# Altium PCB Sensor.PcbDoc (part 2 of 2)
Units mm, origin at the board's own origin, x right, y up, seen from the top; angles counter-clockwise.
Board outline 54 x 36.3 mm, 4 copper layers (Top Layer, Layer 1, Layer 2, Bottom Layer), stack 0.98 mm thick; 113 components, 88 nets, 484 pads, 239 vias.
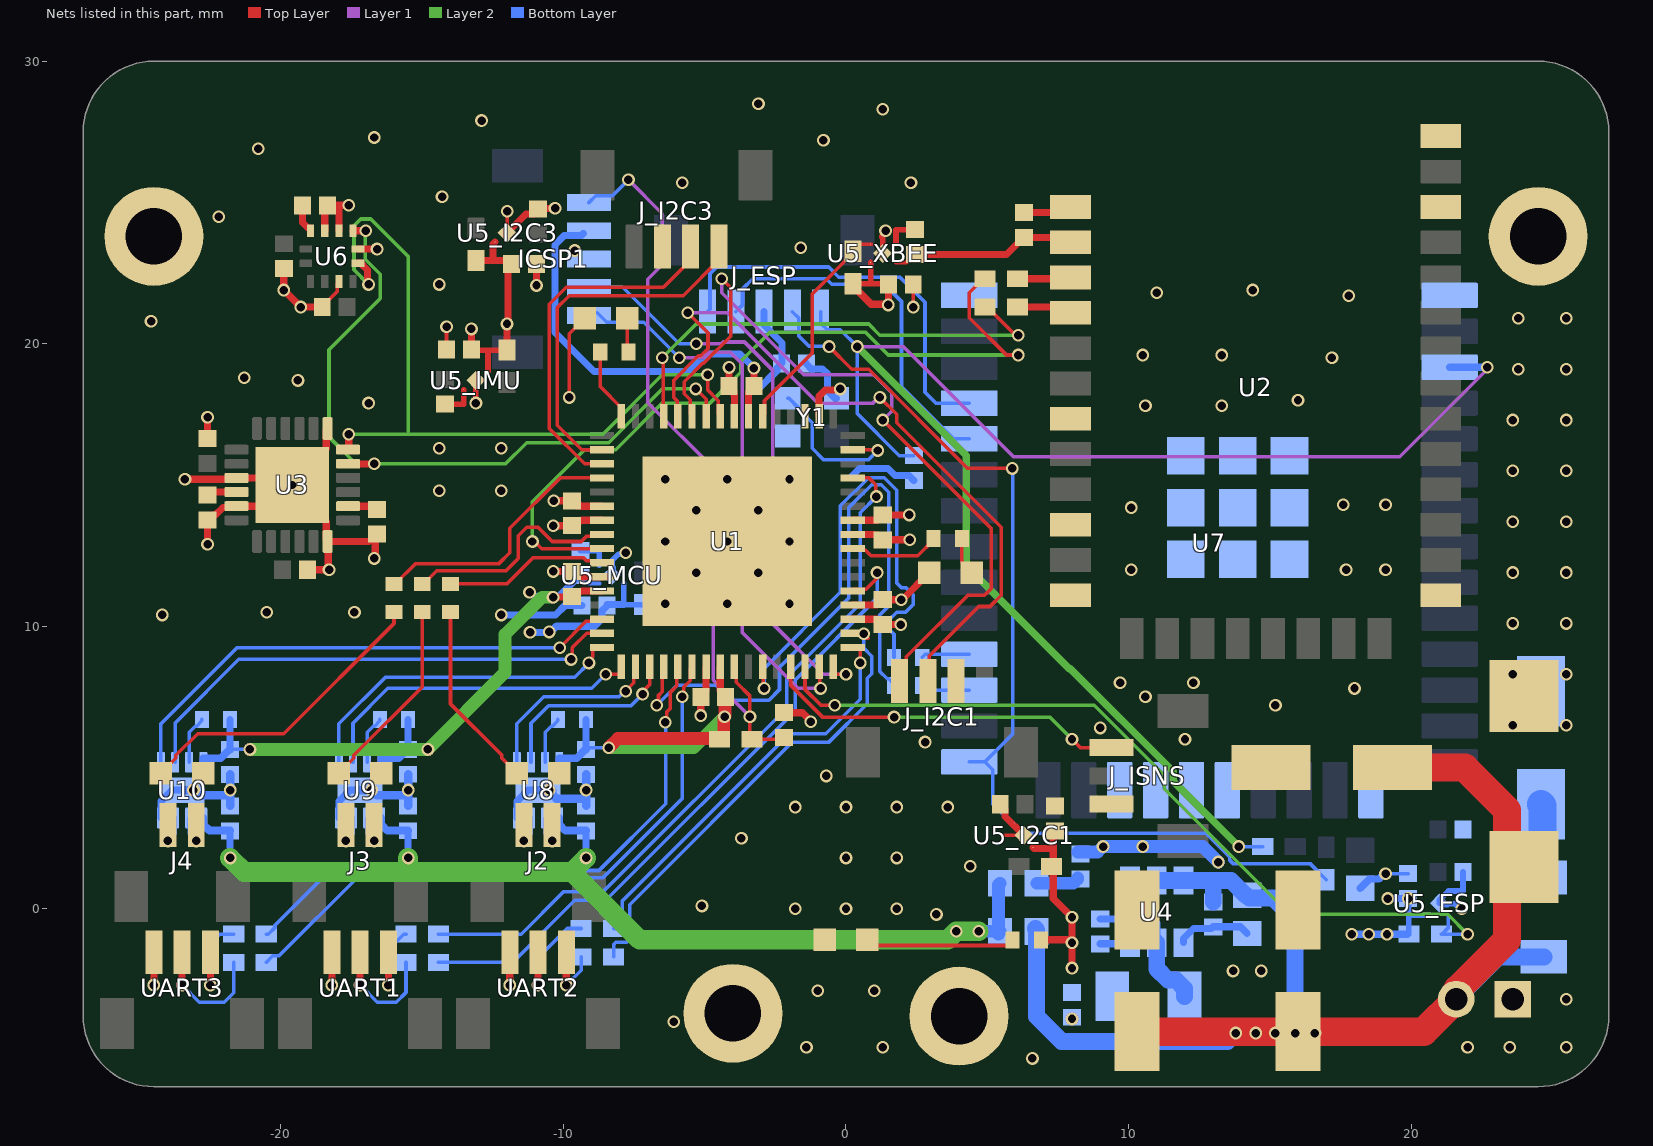
[diagram p4: the nets of this part, all layers, seen from the top]

## Via types
v1: diameter 0.45, hole 0.3, Top Layer to Bottom Layer, tented both sides, 239 vias

## Nets (pads, with @x,y where several pads share a name; then routed paths per layer and width w, separated by ;. In a path a pad name is that pad's centre, name@x,y a point inside that pad or via, vN(x,y) a via of type N, cw(c..) or ccw(c..) an arc to the next point about the centre after c; other vN are vias at no path point) (continued)
3V3_MCU: C8.1 C10_MCU.2 C12.1 C20.2 C21.2 C22.2 C23.2 C24.2 C27.2 C28.1 C36.2 ICSP1.2 R8.1 R9.1 R10.1 R11.1 U1.8 U1.19 U1.26 U1.34 U1.39 U1.54 U1.60 U5_MCU.1 U8.8 U9.8 U10.8 Y1.4 | length 62.5
  Top Layer w0.254: v1(-10.37,11.03) -9.73,11.03 C23.2@-9.7,11.06 -9.527,11.233 -9.375,11.233 -9.358,11.25 U1.60@-8.635,11.25 ; v1(-10.34,14.44) C27.2@-9.7,14.44 -9.527,14.267 -9.375,14.267 -9.358,14.25 U1.54@-8.635,14.25 ; R11.1@-4.597,5.878 R11.1@-4.475,6 ; U1.8@-4.45,8.565 -4.45,7.71 -4.26,7.52 C24.2@-4.26,7.5 C24.2@-4.28,7.48 ; v1(-4.3,6.8) v1@-4.28,6.82 ; U1.39@-3.45,17.435 -3.45,18.29 -3.26,18.48 C22.2@-3.26,18.5 v1(-3.26,19.14) ; U1.34@-0.95,17.435 -0.95,18.15 -0.738,18.362 -0.238,18.362 v1(-0.2,18.4) ; U1.19@0.235,10.25 1.09,10.25 1.28,10.06 C20.2@1.3,10.06 v1(1.94,10.06) v1@1.94,10.007 ; U1.26@0.235,13.75 1.09,13.75 1.28,13.94 C21.2@1.3,13.94 v1(2.24,13.94)
  Top Layer w0.45: v1(-8.4,5.7) -8.077,6.023 -4.377,6.023 -4.325,6.075 -4.325,6.775 v1(-4.3,6.8) ; v1@-4.28,6.82 C24.2@-4.28,7.48
  Layer 2 w0.45: v1(-21.1,5.64) v1(-14.8,5.64) -12.07,8.37 -12.07,9.714 -10.754,11.03 v1(-10.37,11.03) ; v1(-8.4,5.7) -5.4,5.7 v1(-4.3,6.8)
  Bottom Layer w0.127: C28.1@-21.8,5.64 v1(-21.1,5.64) ; C12.1@-15.5,5.64 v1(-14.8,5.64) ; C8.1@-9.2,5.64 -9.14,5.7 v1(-8.4,5.7)
  Bottom Layer w0.15: C10_MCU.2@-9.38,11.8 -9.095,11.515 -8.73,11.515
  Bottom Layer w0.254: C28.1@-21.8,5.64 R10.1@-21.8,6.7 ; C12.1@-15.5,5.64 R9.1@-15.5,6.7 ; v1@-11.147,11.2 -10.977,11.03 v1(-10.37,11.03) -10.19,11.03 -9.42,11.8 C10_MCU.2@-9.4,11.8 -9.38,11.8 C10_MCU.2@-9.3,11.8 ; ICSP1.2@-9.3,23.9 -9.373,23.827 -9.973,23.827 -10.3,23.5 -10.3,20.4 -8.921,19.021 -5.564,19.021 -4.946,19.639 -3.759,19.639 v1(-3.26,19.14) ; C8.1@-9.2,5.64 R8.1@-9.2,6.7 ; C36.2@-1.4,19.3 -1.4,19.28 -1.227,19.107 -0.827,19.107 -0.658,18.938 -0.658,18.338 -0.385,18.065 Y1.4@-0.335,18.065
  Bottom Layer w0.275: U10.8@-22.75,5.185 -22.75,5.322 -22.748,5.325 -22.136,5.325 -21.82,5.64 C28.1@-21.8,5.64 ; U9.8@-16.45,5.185 -16.45,5.322 -16.448,5.325 -15.835,5.325 -15.52,5.64 C12.1@-15.5,5.64 ; U8.8@-10.15,5.185 -10.15,5.322 -10.148,5.325 -9.536,5.325 -9.22,5.64 C8.1@-9.2,5.64
  other v1: -11.2,11.2
3V3_XBee: C6.1 C10_XBEE.2 U2.2 U5_XBEE.1 | length 6.6
  Top Layer w0.15: 1.77,22.875 2.135,22.875 2.42,23.16 C10_XBEE.2@2.44,23.16
  Top Layer w0.254: C10_XBEE.2@2.44,23.16 5.68,23.16 6.28,23.76 C6.1@6.3,23.76 7.779,23.76 U2.2@7.947,23.592
5V: C2.2 C3.2 C9_ESP.2 C9_I2C1.2 C9_I2C3.2 C9_IMU.2 C9_MCU.2 C9_XBEE.2 L1.2 R5.1 R16_ESP.1 R16_I2C1.1 R16_I2C3.1 R16_IMU.1 R16_MCU.1 R16_XBEE.1 R26.1 U4.1 U5_ESP.4 U5_I2C1.4 U5_I2C3.4 U5_IMU.4 U5_MCU.4 U5_XBEE.4 | length 31.6
  Top Layer w0.2: C9_IMU.2@-13.26,19.8 -13.235,19.775 -12.67,19.775 ; U5_IMU.4@-12.67,19.025 -12.67,19.775 ; R16_IMU.1@-12,19.775 -12.67,19.775 ; R16_XBEE.1@0.24,22.125 0.87,22.125 ; U5_XBEE.4@0.87,22.875 0.87,22.125 ; C9_XBEE.2@1.5,22.1 1.475,22.125 0.87,22.125
  Top Layer w0.254: C9_IMU.2@-13.26,19.8 v1(-13.26,20.525) ; R16_I2C3.1@-13.095,22.95 -12.495,22.95 ; U5_I2C3.4@-12.425,23.6 -12.495,23.53 -12.495,22.95 ; R16_IMU.1@-12,19.775 v1(-12,20.7) -11.962,20.737 -11.962,22.698 C9_I2C3.2@-11.835,22.825 ; C9_I2C3.2@-11.895,22.825 -11.895,22.837 -12.008,22.95 -12.495,22.95 ; R16_XBEE.1@0.24,22.125 0.24,22.05 0.894,21.396 1.479,21.396 v1(1.5,21.375) C9_XBEE.2@1.5,22.1 ; U5_I2C1.4@6.625,2.17 6.665,2.13 7.337,2.13 ; R5.1@6.9,-1.1 7.847,-1.1 7.909,-1.162 7.962,-1.109 v1@8,-1.147 ; R16_I2C1.1@7.275,1.5 R16_I2C1.1@7.337,1.562 ; C9_I2C1.2@7.4,2.76 7.337,2.697 7.337,2.13 ; v1(8,-2.1) v1(8,-1.2) v1@8,-1.147 ; R16_I2C1.1@7.337,1.562 7.337,0.363 v1(8,-0.3) v1@8,-1.147 ; R16_I2C1.1@7.337,1.562 7.337,2.13
  Bottom Layer w0.2: C9_MCU.2@-8.46,10.74 -8.435,10.765 -7.87,10.765 ; -7.87,11.515 U5_MCU.4@-7.87,11.475 -7.87,10.765 ; R16_MCU.1@-7.2,10.765 -7.87,10.765 ; v1(19.9,0.36) 19.925,0.335 19.925,-0.23 ; R16_ESP.1@19.925,-0.9 19.925,-0.23 ; U5_ESP.4@20.675,-0.23 19.925,-0.23
  Bottom Layer w0.254: v1(-11.184,9.784) v1@-10.469,9.784 ; v1@-10.527,9.773 -10.48,9.773 v1@-10.469,9.784 ; -7.87,10.765 -8.46,10.765 -8.46,10.72 -8.633,10.547 -8.633,10.267 -8.9,10 -10.253,10 v1@-10.469,9.784 ; v1(17.9,-0.9) v1(18.5,-0.9) v1(19.15,-0.9) R16_ESP.1@19.875,-0.9 ; v1(19.175,0.36) v1(19.9,0.36)
  Bottom Layer w0.45: R26.1@6.75,0.9 8.043,0.9 8.2,1.057 C3.2@8.2,1.1
  other v1: -10.5,9.8
5VREG_BST: C1.1 U4.6 | length 1.1
  Bottom Layer w0.254: C1.1@9,-1.24 10.05,-1.24 U4.6@10.05,-1.2
5VREG_SW: C1.2 L1.1 U4.5 | length 5.2
  Bottom Layer w0.254: C1.2@9,-0.36 10.86,-0.36 11,-0.5 U4.5@11,-1.2
  Bottom Layer w0.6: U4.5@11,-1.2 11,-2.125 11.4,-2.525 11.675,-2.525 11.975,-2.825 L1.1@11.975,-3.1
A_OUT1: J2.1 U8.2 | length 0.9
  Bottom Layer w0.127: U8.2@-10.65,3.215 -10.65,2.654 -10.4,2.404 v1(-10.4,2.4)
A_OUT2: J2.2 U8.3 | length 0.9
  Bottom Layer w0.127: v1(-11.4,2.4) -11.4,2.405 -11.15,2.654 U8.3@-11.15,3.215
B_OUT1: J3.1 U9.2 | length 0.9
  Bottom Layer w0.127: U9.2@-16.95,3.215 -16.95,2.655 -16.7,2.405 v1(-16.7,2.4)
B_OUT2: J3.2 U9.3 | length 0.9
  Bottom Layer w0.127: v1(-17.7,2.4) -17.7,2.405 -17.45,2.655 U9.3@-17.45,3.215
C\S\: U7.19
C_OUT1: J4.1 U10.2 | length 0.9
  Bottom Layer w0.127: U10.2@-23.25,3.215 -23.25,2.655 -23,2.405 v1(-23,2.4)
C_OUT2: J4.2 U10.3 | length 0.9
  Bottom Layer w0.127: v1(-24,2.4) -24,2.405 -23.75,2.655 U10.3@-23.75,3.215
CLK_PIC32: U1.31 Y1.3 | length 5.7
  Top Layer w0.127: U1.31@0.235,16.25 1.092,16.25 v1(1.121,16.221)
  Bottom Layer w0.127: Y1.3@-2.065,18.065 -2.015,18.065 -1.678,17.728 -1.678,17.678 -1.2,17.2 -1.2,16.3 -0.8,15.9 0.8,15.9 v1(1.121,16.221)
ESP_3V3_EN: R16_ESP.2 U1.14 U5_ESP.3 | length 29.8
  Top Layer w0.127: U1.14@-1.45,8.565 -1.45,7.762 -0.888,7.2 v1(-0.4,7.2)
  Layer 2 w0.127: v1(-0.4,7.2) 8.788,7.2 11.266,4.722 11.266,4.247 15.712,-0.2 21.3,-0.2 v1(22,-0.9)
  Bottom Layer w0.127: U5_ESP.3@21.325,-0.23 21.325,-0.663 21.088,-0.9 R16_ESP.2@21.075,-0.9 v1(22,-0.9)
ESP_DIN: R14.1 U7.27 | length 1.7
  Bottom Layer w0.127: R14.1@2.7,7.9 2.86,7.74 U7.27@4.365,7.74
ESP_DIN_R: R14.2 U1.4 | length 23
  Top Layer w0.127: v1(-6.7,7.2) -6.638,7.262 -6.638,7.549 -6.509,7.679 -6.509,8.506 U1.4@-6.45,8.565
  Bottom Layer w0.127: v1(-6.7,7.2) -5.984,7.916 -4.615,7.916 -4.084,7.384 -2.728,7.384 -2.354,7.758 -2.354,8.546 0.1,11 0.1,14.201 0.907,15.008 1.251,15.008 1.515,14.743 1.515,10.715 1.2,10.4 1.2,8.4 1.464,8.137 1.514,8.137 1.7,7.95 R14.2@1.7,7.9
ESP_DOUT: R15.1 U7.28 | length 1.7
  Bottom Layer w0.127: R15.1@2.7,8.9 2.81,9.01 U7.28@4.365,9.01
ESP_DOUT_R: R15.2 U1.11 | length 17.8
  Top Layer w0.127: U1.11@-2.95,8.565 -2.925,8.54 -2.925,7.825 v1(-2.9,7.8)
  Bottom Layer w0.127: v1(-2.9,7.8) -2.9,8.5 -0.2,11.2 -0.2,14.26 0.802,15.262 1.356,15.262 1.8,14.818 1.8,11.532 1.976,11.355 2.132,11.355 2.376,11.112 2.376,10.768 2.108,10.5 1.792,10.5 1.525,10.232 1.525,9.888 1.7,9.712 R15.2@1.7,8.9
ESP_EN: C32.2 J_ESP.1 R17.2 U7.3 | length 57.9
  Layer 1 w0.127: v1(0.4,19.9) 2.028,19.9 5.928,16 19.6,16 22.7,19.1 v1(22.7,19.17)
  Layer 2 w0.254: v1(0.4,19.9) 4.259,16.041 4.259,12.141 7.903,8.497 7.939,8.497 11.583,4.854 11.583,4.517 v1(13.9,2.2)
  Bottom Layer w0.127: J_ESP.1@-0.9,21.138 -0.9,20.736 -0.664,20.5 -0.2,20.5 v1(0.4,19.9) 0.4,17.53 1.889,16.04 C32.2@2.4,16.04 ; v1(13.9,2.2) R17.2@14.75,2.2
  Bottom Layer w0.254: U7.3@21.365,19.17 v1(22.7,19.17) v1@22.763,19.17
GND: C2.1 C3.1 C4.1 C5.1 C6.2 C7.2 C8.2 C9_ESP.1 C9_I2C1.1 C9_I2C3.1 C9_IMU.1 C9_MCU.1 C9_XBEE.1 C10_ESP.1 C10_I2C1.1 C10_I2C3.1 C10_IMU.1 C10_MCU.1 C10_XBEE.1 C11.1 C12.2 C13.2 C14.2 C15.2 C16.2 C17.2 C18.2 C19.2 C20.1 C21.1 C22.1 C23.1 C24.1 C25.2 C26.1 C27.1 C28.2 C29.1 C30.1 C31.1 C32.1 C33.2 C34.2 C35.2 C36.1 D1.2 D2.2 D3.2 D4.2 D5.2 D6.2 D7.2 ICSP1.3 J_ESP.3 J_I2C1.2 J_I2C3.2 J_ISNS.3 P1.1 pad.1 U1.7 U1.20 U1.25 U1.35 U1.40 U1.55 U1.59 U1.65 U2.1 U2.10 U2.12 U2.21 U2.32 U2.34 U3.1 U3.9 U3.11 U3.18 U3.25 U4.4 U5_ESP.2 U5_ESP.5 U5_I2C1.2 U5_I2C1.5 U5_I2C3.2 U5_I2C3.5 U5_IMU.2 U5_IMU.5 U5_MCU.2 U5_MCU.5 U5_XBEE.2 U5_XBEE.5 U6.2 U6.3 U6.9 U6.12 U7.1 U7.15 U7.38 U7.39 U8.4 U8.9 U9.4 U9.9 U10.4 U10.9 UART1.3 UART2.3 UART3.3 Y1.2 | length 93
  Top Layer w0.127: C18.2@-18.54,21.3 -18.54,21.32 -18.012,21.849 -18.012,22.138 U6.9@-17.95,22.2 ; C9_IMU.1@-14.14,19.8 v1(-14.14,20.6) ; U5_I2C3.5@-11.995,23.925 v1(-11.995,24.685) ; v1(-9.8,18.1) -9.8,20.35 D3.2@-9.25,20.9 ; C25.2@-2.2,6.94 C25.2@-2.16,6.9 ; v1(2.38,21.3) C9_XBEE.1@2.38,22.1 ; 5.575,2.6 U5_I2C1.5@6.3,2.6
  Top Layer w0.2: C10_IMU.1@-14.2,17.86 -13.53,17.86 U5_IMU.2@-13.53,18.375 ; v1(-13.1,17.9) U5_IMU.5@-13.1,18.7 ; U5_XBEE.5@1.3,23.2 1.3,23.741 1.268,23.773 1.268,23.801 1.352,23.884 1.352,23.952 v1(1.4,24) ; 1.77,23.525 1.77,24.04 C10_XBEE.1@2.44,24.04
  Top Layer w0.254: v1(-24.5,-2.7) UART3.3@-24.5,-1.537 ; v1(-23.4,15.2) -23.394,15.206 -21.619,15.206 U3.9@-21.575,15.25 -19.85,15.25 v1(-19.6,15) ; v1(-22.6,12.9) C14.2@-22.6,13.76 -22.427,13.933 -22.326,13.933 -22.057,14.202 -21.623,14.202 U3.11@-21.589,14.236 ; C13.2@-22.6,16.64 v1(-22.6,17.4) ; U3.11@-21.575,14.25 U3.25@-20.7,14.25 ; C17.2@-19.9,22.66 v1(-19.9,21.9) v1(-19.3,21.3) C18.2@-18.54,21.3 ; C7.2@-19.06,12 v1(-18.3,12) -18.325,12.025 -18.325,12.975 U3.18@-18.339,12.989 ; U3.25@-18.9,15.8 -18.398,16.302 -18.398,16.952 U3.1@-18.35,17 ; U3.25@-18.8,14.1 -18.398,13.698 -18.398,13.048 U3.18@-18.35,13 -16.88,13 -16.62,13.26 C15.2@-16.6,13.26 ; U6.3@-18.45,24 -18.448,24.002 -18.448,24.812 C19.2@-18.36,24.9 ; C19.2@-18.36,24.88 C19.2@-18.36,24.9 ; v1(-18.2,-2.7) UART1.3@-18.2,-1.537 ; U6.2@-17.95,24 -17.95,24.9 ; v1(-17.6,24.9) -17.95,24.9 ; U6.12@-17.275,23.35 v1(-16.6,23.35) ; v1(-16.7,12.4) -16.663,12.438 -16.663,13.122 C15.2@-16.7,13.16 ; U5_I2C3.5@-11.995,23.925 -11.328,24.592 -11.028,24.592 C10_I2C3.1@-10.895,24.725 ; v1(-11.9,-2.7) UART2.3@-11.9,-1.537 ; v1(-10.955,22.065) C9_I2C3.1@-10.955,22.79 ; C10_I2C3.1@-10.895,24.765 -10.86,24.765 -10.843,24.782 -10.318,24.782 v1(-10.3,24.8) ; v1(-10.36,11.94) C23.1@-9.72,11.94 ; v1(-10.36,13.56) C27.1@-9.72,13.56 ; C23.1@-9.7,11.94 -9.527,11.767 -9.375,11.767 -9.358,11.75 U1.59@-8.635,11.75 ; C27.1@-9.7,13.56 -9.527,13.733 -9.375,13.733 -9.358,13.75 U1.55@-8.635,13.75 ; v1(-5.14,6.84) C24.1@-5.14,7.48 ; C24.1@-5.14,7.5 -5.14,7.52 -4.95,7.71 U1.7@-4.95,8.565 ; C22.1@-4.14,18.5 -3.967,18.327 -3.967,18.175 -3.95,18.158 U1.40@-3.95,17.435 ; C22.1@-4.14,18.52 v1(-4.14,19.16) ; C25.2@-2.2,6.94 -1.54,6.94 -1.25,6.65 v1(-1.25,6.616) ; U1.20@0.235,10.75 1.09,10.75 1.28,10.94 C20.1@1.3,10.94 v1@2.013,10.94 ; U1.25@0.235,13.25 0.99,13.25 1.007,13.233 1.127,13.233 C21.1@1.3,13.06 ; C21.1@1.32,13.06 v1(2.26,13.06) ; v1(1.96,10.94) v1@2.013,10.94 ; D4.2@2.95,11.9 2.013,10.963 v1@2.013,10.94 ; C10_I2C1.1@5.46,3.7 5.633,3.527 5.633,3.267 U5_I2C1.5@6.3,2.6 ; C6.2@6.3,24.64 7.745,24.64 U2.1@7.947,24.842 ; C19.2@-18.36,24.9 -17.95,24.9
  Bottom Layer w0.127: v1(8,-3.9) C2.1@8,-3.84 ; v1(19.1,1.24) C9_ESP.1@19.9,1.24
  Bottom Layer w0.2: C10_MCU.1@-9.4,12.68 -8.73,12.68 -8.73,12.165 ; U5_MCU.5@-8.3,11.8 -8.3,11.998 -8.25,12.048 -8.25,12.079 -8.277,12.106 -8.277,12.324 -8.049,12.552 -7.848,12.552 v1(-7.8,12.6) ; v1(21.8,0) 21.732,0 21.555,0.177 21.306,0.177 21.279,0.15 21.248,0.15 21.198,0.2 U5_ESP.5@21,0.2 21,0.305 U5_ESP.2@21.325,0.63 21.84,0.63 C10_ESP.1@21.84,1.3
  Bottom Layer w0.254: U10.4@-24.25,3.215 -24.237,3.228 -24.237,3.813 -23.85,4.2 U10.9@-23.5,4.2 ; U9.4@-17.95,3.215 -17.937,3.228 -17.937,3.813 -17.55,4.2 U9.9@-17.2,4.2 ; v1(-12.2,10.4) -10.281,10.4 -9.941,10.74 C9_MCU.1@-9.34,10.74 ; U8.4@-11.65,3.215 -11.637,3.228 -11.637,3.813 -11.25,4.2 U8.9@-10.9,4.2 ; -3.1,18.4 -2.453,19.047 -2.453,19.127 -2.261,19.319 -2.261,20.024 -2.9,20.663 J_ESP.3@-2.9,21.138 ; 0.2,15.3 0.479,15.579 1.488,15.579 1.734,15.333 2.227,15.333 C32.1@2.4,15.16 ; U4.4@11.95,-1.2 11.95,-1.05 12.299,-0.701 12.939,-0.701 C5.1@13,-0.64 ; C5.1@13.02,-0.64 13.965,-0.64 C4.1@14.2,-0.875 ; C30.1@18.2,0.725 18.523,1.048 18.855,1.048 19.047,1.24 v1(19.1,1.24)
  Bottom Layer w0.3: U10.9@-23.5,4.2 v1(-23.1,4.2) -22.91,4.01 v1@-21.829,4.01 ; U10.9@-23.5,4.2 v1(-23.1,4.2) ; C29.1@-21.8,3.64 v1(-21.8,4.2) ; v1(-21.8,4.2) C28.2@-21.8,4.76 ; U9.9@-17.2,4.2 v1(-16.8,4.2) -16.61,4.01 v1@-15.529,4.01 ; U9.9@-17.2,4.2 v1(-16.8,4.2) ; C26.1@-15.5,3.64 v1(-15.5,4.2) ; v1(-15.5,4.2) C12.2@-15.5,4.76 ; v1(-10.5,4.2) U8.9@-10.9,4.2 -10.4,4.2 -10.4,4.05 -10.25,3.9 C11.1@-9.2,3.9 ; C11.1@-9.2,3.64 C11.1@-9.2,3.9 ; v1(-9.2,4.2) C11.1@-9.2,3.9 ; v1(-9.2,4.2) C8.2@-9.2,4.76
  Bottom Layer w0.45: C3.1@8.205,2 8.212,2.007 8.907,2.007 v1(9.1,2.2) 12.627,2.2 v1(13.175,1.652)
  other v1: 6.6,-5.3 -1.4,-4.9 1.3,-4.9 22,-4.9 23.5,-4.9 25.5,-4.9 -6.1,-4 25.5,-3.2 -1,-2.9 1,-2.9 13.7,-2.2 14.7,-2.2 3.2,-0.2 -1.8,0 0,0 1.8,0 -5.1,0.1 4.4,1.5 0,1.8 1.8,1.8 10.5,2.2 -3.7,2.5 -1.8,3.6 0,3.6 1.8,3.6 3.6,3.6 -0.7,4.7 2.8,5.9 12,6 9,6.4 23.6,6.5 25.5,6.5 15.2,7.2 10.6,7.5 18,7.8 9.7,8 12.3,8 23.6,8.3 25.5,8.3 23.6,10.1 25.5,10.1 -24.2,10.4 -20.5,10.5 -17.4,10.5 -6.4,10.8 -4.2,10.8 -2,10.8 -5.3,11.9 -3.1,11.9 23.6,11.9 25.5,11.9 10.1,12 17.7,12 19.1,12 -6.4,13 -4.2,13 -2,13 23.6,13.7 25.5,13.7 -5.3,14.1 -3.1,14.1 10.1,14.2 17.6,14.3 19.1,14.3 -14.4,14.8 -12.2,14.8 -6.4,15.2 -4.2,15.2 -2,15.2 23.6,15.5 25.5,15.5 -14.4,16.3 -12.2,16.3 23.6,17.3 25.5,17.3 10.6,17.8 13.3,17.8 -16.9,17.9 16,18 -19.4,18.7 -21.3,18.8 23.8,19.1 25.5,19.1 17.2,19.5 10.5,19.6 13.3,19.6 -24.6,20.8 23.8,20.9 25.5,20.9 17.8,21.7 11,21.8 14.4,21.9 -14.4,22.1 -9.6,23.3 -1.6,23.4 -22.2,24.5 -14.3,25.2 -5.8,25.7 2.3,25.7 -20.8,26.9 -0.8,27.2 -16.7,27.3 -12.9,27.9 1.3,28.3 -3.1,28.5
I2C1_SCL: J_I2C1.3 U1.44 | length 25.9
  Top Layer w0.127: U1.44@-5.95,17.435 -5.98,17.465 -5.98,17.98 -6.1,18.1 -6.1,18.7 -5.23,19.57 -5.143,19.57 -4.884,19.828 -4.884,20.384 v1(-5.6,21.1) ; v1(1.2,18.1) 1.8,17.5 1.8,17.2 5.5,13.5 5.5,11.1 5.1,10.7 4.7,10.7 2.954,8.954 2.954,8.116 J_I2C1.3@2.9,8.062
  Layer 1 w0.127: v1(-5.6,21.1) -4.484,21.1 -4.475,21.091 -4.191,21.091 -1,17.9 0.959,17.9 1.159,18.1 v1(1.2,18.1)
I2C1_SDA: J_I2C1.4 U1.43 | length 27.4
  Top Layer w0.127: U1.43@-5.45,17.435 -5.516,17.501 -5.516,18.013 -5.731,18.228 -5.731,18.657 -5.072,19.316 -5.038,19.316 -4.085,20.269 -4.085,21.984 v1(-4.4,22.3) ; v1(1.3,17.3) 5.147,13.453 5.147,11.347 4.9,11.1 4.317,11.1 2.135,8.918 2.135,8.297 J_I2C1.4@1.9,8.062
  Layer 1 w0.127: v1(-4.4,22.3) -4.4,21.8 -1.5,18.9 0.988,18.9 1.616,18.272 1.616,17.616 v1(1.3,17.3)
I2C3_SCL: J_I2C3.3 U1.51 | length 12.9
  Top Layer w0.127: U1.51@-8.635,15.75 -9.25,15.75 -10.5,17 -10.5,21.4 -9.9,22 -6.462,22 -5.5,22.962 J_I2C3.3@-5.5,23.437
I2C3_SDA: J_I2C3.4 U1.50 | length 13
  Top Layer w0.127: U1.50@-8.635,16.25 -9.35,16.25 -10.216,17.116 -10.216,21.284 -9.8,21.7 -5.763,21.7 -4.5,22.962 J_I2C3.4@-4.5,23.437
IO_0: J_ESP.2 R18.1 U7.25 | length 36.4
  Top Layer w0.127: v1(-0.6,19.9) 0.2,19.1 0.8,19.1 4.314,15.586 v1(5.889,15.586)
  Bottom Layer w0.127: J_ESP.2@-1.9,21.138 -1.674,20.911 -1.674,20.274 -1.309,19.909 -0.609,19.909 v1(-0.6,19.9) ; U7.25@4.365,5.2 U7.25@4.915,5.2 ; v1(5.889,15.586) 5.9,15.576 5.9,6.185 4.957,5.243 U7.25@4.915,5.2 ; R18.1@17,1.025 16.425,1.6 13.7,1.6 13.59,1.71 13.59,1.824 12.737,2.677 6.22,2.677 5.2,3.698 5.2,4.915 U7.25@4.915,5.2
ISNS_VIN: J_ISNS.1 U1.13 | length 12.9
  Top Layer w0.127: U1.13@-1.95,8.565 -1.95,7.903 -0.831,6.785 v1(1.7,6.785) ; v1(8,6) 8.3,5.7 J_ISNS.1@9.4,5.7
  Layer 2 w0.127: v1(1.7,6.785) 7.215,6.785 v1(8,6)
LED_DEBUG_0: R20.2 U1.48 | length 2.6
  Top Layer w0.127: R20.2@-8.7,19.7 -8.7,18.485 -7.95,17.735 U1.48@-7.95,17.435
LED_DEBUG_1: R21.2 U1.24 | length 3.3
  Top Layer w0.127: U1.24@0.235,12.75 0.302,12.684 0.695,12.684 0.888,12.491 2.541,12.491 3.1,13.05 R21.2@3.1,13.1
LED_MOTOR_A: R22.2 U1.58 | length 5.8
  Top Layer w0.127: R22.2@-14,11.5 -11.998,11.5 -11.067,12.43 -9.301,12.43 -9.187,12.316 -8.701,12.316 U1.58@-8.635,12.25
LED_MOTOR_B: R23.2 U1.56 | length 8
  Top Layer w0.127: R23.2@-15,11.5 -14.95,11.5 -14.486,11.964 -12.036,11.964 -11.6,12.4 -11.6,13.2 -11.3,13.5 -10.9,13.5 -10.4,13 -9.4,13 ; -9.371,13 -9.187,13.183 -8.717,13.183 U1.56@-8.6,13.3
LED_MOTOR_C: R24.2 U1.52 | length 9.5
  Top Layer w0.127: R24.2@-16,11.5 -15.95,11.5 -15.232,12.218 -12.282,12.218 -11.9,12.6 -11.9,13.468 -10.118,15.25 -8.65,15.25 U1.52@-8.6,15.2
MCLR: C25.1 ICSP1.1 R11.2 U1.9 | length 26.9
  Top Layer w0.127: U1.9@-3.95,8.565 -3.883,8.498 -3.883,8.013 -3.4,7.529 v1(-3.4,6.8) -3.4,6.075 R11.2@-3.325,6 -2.26,6 C25.1@-2.2,6.06
  Layer 1 w0.127: v1(-7.7,25.8) -6.5,24.6 -6.5,22.8 -7.016,22.284 -7.016,17.916 -4.7,15.6 -4.7,8.1 v1(-3.4,6.8)
  Bottom Layer w0.127: ICSP1.1@-9.1,25 -8.864,25.236 -8.264,25.236 v1(-7.7,25.8)
MOTOR.A_IN1: U1.3 U8.6 | length 7.1
  Top Layer w0.127: v1(-7.2,7.6) -7.2,7.687 -6.954,7.933 -6.954,8.561 U1.3@-6.95,8.565
  Bottom Layer w0.127: U8.6@-11.15,5.185 -11.15,6.569 -10.529,7.191 -7.609,7.191 v1(-7.2,7.6) ; v1(-7.2,7.6) -7.2,7.712 v1(-7.2,7.6)
MOTOR.A_IN2: U1.2 U8.5 | length 6.7
  Top Layer w0.127: v1(-7.8,7.7) -7.8,7.721 -7.517,8.004 -7.517,8.498 U1.2@-7.45,8.565
  Bottom Layer w0.127: U8.5@-11.65,5.185 -11.65,6.55 -10.7,7.5 -8.036,7.5 -7.836,7.7 v1(-7.8,7.7)
MOTOR.B_IN1: U1.1 U9.6 | length 11.8
  Top Layer w0.127: v1(-8.5,8.3) -8.016,8.3 -7.95,8.367 U1.1@-7.95,8.565
  Bottom Layer w0.127: U9.6@-17.45,5.185 -17.45,6.569 -16.219,7.8 -9,7.8 v1(-8.5,8.3)
MOTOR.B_IN2: U1.64 U9.5 | length 12
  Top Layer w0.127: v1(-9.1,8.7) -9.1,8.787 -8.962,8.925 -8.962,9.183 -8.896,9.25 U1.64@-8.635,9.25
  Bottom Layer w0.127: U9.5@-17.95,5.185 -17.95,6.55 -16.3,8.2 -9.6,8.2 v1(-9.1,8.7)
MOTOR.C_IN1: U1.63 U10.6 | length 18
  Top Layer w0.127: v1(-9.732,8.826) -9.686,8.872 -9.686,9.245 -9.181,9.75 U1.63@-8.635,9.75
  Bottom Layer w0.127: U10.6@-23.75,5.185 -23.75,6.569 -21.493,8.826 v1(-9.732,8.826)
MOTOR.C_IN2: U1.62 U10.5 | length 18.5
  Top Layer w0.127: v1(-10.132,9.242) -9.19,10.184 -8.701,10.184 U1.62@-8.635,10.25
  Bottom Layer w0.127: U10.5@-24.25,5.185 -24.25,6.55 -21.558,9.242 v1(-10.132,9.242)
NetC14_1: C14.1 U3.10 | length 1.1
  Top Layer w0.254: C14.1@-22.6,14.64 -22.49,14.75 U3.10@-21.575,14.75
NetC15_1: C15.1 U3.20 | length 1.1
  Top Layer w0.254: U3.20@-17.625,14.25 -16.71,14.25 C15.1@-16.6,14.14
NetC19_1: C19.1 U6.4 | length 1.1
  Top Layer w0.254: C19.1@-19.24,24.9 -19.24,24.29 -19.048,24.098 -18.952,24.098 -18.95,24.096 U6.4@-18.95,24
NetD1_1: D1.1 R5.2 | length 5.3
  Top Layer w0.127: D1.1@0.75,-1.1 0.95,-1.3 5.714,-1.3 5.9,-1.114 R5.2@5.9,-1.1
NetD2_1: D2.1 R19.1 | length 2.6
  Bottom Layer w1: D2.1@24.6,3.7 24.65,3.65 24.65,1.15 R19.1@24.7,1.1
NetD3_1: D3.1 R20.1 | length 1.2
  Top Layer w0.127: D3.1@-7.75,20.9 -7.75,19.75 R20.1@-7.7,19.7
NetD4_1: D4.1 R21.1 | length 1.3
  Top Layer w0.127: R21.1@4.1,13.1 4.1,12.311 4.113,12.297 4.113,12.237 D4.1@4.45,11.9
NetD5_1: D5.1 R22.1 | length 6.7
  Top Layer w0.127: R22.1@-14,10.5 -14,7.25 -12.18,5.43 -12.18,5.33 D5.1@-11.65,4.8
NetD6_1: D6.1 R23.1 | length 6.9
  Top Layer w0.127: D6.1@-17.95,4.8 -17.42,5.33 -17.42,5.43 -15,7.85 R23.1@-15,10.5
NetD7_1: D7.1 R24.1 | length 10.9
  Top Layer w0.127: D7.1@-24.25,4.8 -23.72,5.33 -23.72,5.43 -22.95,6.2 -19.9,6.2 -16,10.1 R24.1@-16,10.5
NetR8_2: R8.2 U8.7 | length 1.7
  Bottom Layer w0.127: U8.7@-10.65,5.185 -10.65,6.25 -10.436,6.464 -10.386,6.464 -10.2,6.65 R8.2@-10.2,6.7
NetR9_2: R9.2 U9.7 | length 1.7
  Bottom Layer w0.127: U9.7@-16.95,5.185 -16.95,6.25 -16.736,6.464 -16.686,6.464 -16.5,6.65 R9.2@-16.5,6.7
NetR10_2: R10.2 U10.7 | length 1.7
  Bottom Layer w0.127: U10.7@-23.25,5.185 -23.25,6.25 -23.036,6.464 -22.986,6.464 -22.8,6.65 R10.2@-22.8,6.7
PGC: ICSP1.5 U1.15 | length 19.9
  Top Layer w0.127: U1.15@-0.95,8.565 -0.925,8.54 -0.925,7.825 v1(-0.9,7.8)
  Layer 1 w0.127: v1(-5.9,19.5) -5.052,19.5 -4.852,19.7 -4.092,19.7 -3.675,19.283 -3.675,9.775 -1.7,7.8 v1(-0.9,7.8)
  Bottom Layer w0.127: ICSP1.5@-8.8,21.1 -8.464,20.764 -7.164,20.764 v1(-5.9,19.5)
PGD: ICSP1.4 U1.16 | length 20.8
  Top Layer w0.127: U1.16@-0.45,8.565 -0.45,8.367 -0.383,8.3 v1(0,8.3)
  Layer 1 w0.127: v1(-5.3,20) -4.405,20 -4.342,20.063 -3.595,20.063 -2.6,19.068 -2.6,10.1 -0.8,8.3 v1(0,8.3)
  Bottom Layer w0.127: ICSP1.4@-9.1,22 -7.9,22 -5.9,20 v1(-5.3,20)
RSSI: U2.7
RX1: R12.1 U1.29 | length 25.8
  Top Layer w0.127: U1.29@0.235,15.25 0.815,15.25 1.057,15.008 1.057,14.614 v1(1.079,14.592)
  Bottom Layer w0.127: R12.1@-14.425,-0.9 -11.5,-0.9 -10,0.6 -8.6,0.6 -2.1,7.1 -2.1,8.2 0.5,10.8 0.5,14.013 v1(1.079,14.592)
RX1_R: R12.2 UART1.1 | length 3.3
  Top Layer w0.254: v1(-16.2,-2.7) UART1.1@-16.2,-1.537
  Bottom Layer w0.127: v1(-16.2,-2.7) -16.2,-1.45 -15.65,-0.9 R12.2@-15.575,-0.9
RX2: R1.1 U1.18 | length 17.2
  Top Layer w0.127: U1.18@0.235,9.75 0.535,9.75 0.715,9.57 0.781,9.57 0.628,9.723 v1(0.628,9.732)
  Bottom Layer w0.127: R1.1@-8.225,-1.7 -8.225,-1.265 -8.151,-1.19 -7.771,-1.19 -7.66,-1.079 -7.66,0.14 -1.9,5.9 -0.6,5.9 0.754,7.254 0.754,8.154 0.916,8.316 0.916,8.942 0.628,9.23 v1(0.628,9.732)
RX2_R: R1.2 UART2.1 | length 2.4
  Top Layer w0.254: v1(-9.9,-2.7) UART2.1@-9.9,-1.537
  Bottom Layer w0.127: v1(-9.9,-2.7) -9.375,-2.175 R1.2@-9.375,-1.7
RX3: R3.1 U1.5 | length 21.1
  Top Layer w0.127: v1(-6.4,6.6) -6.338,6.662 -6.338,6.974 -6.215,7.097 -6.215,7.672 -5.992,7.895 -5.992,8.523 U1.5@-5.95,8.565
  Bottom Layer w0.127: R3.1@-20.525,-0.9 -20.45,-0.9 -20.214,-0.663 -20.214,-0.588 -18.271,1.354 -8.746,1.354 -6.385,3.715 -6.385,6.585 v1(-6.4,6.6)
RX3_R: R3.2 UART3.1 | length 3.6
  Top Layer w0.254: v1(-22.5,-2.7) UART3.1@-22.5,-1.537
  Bottom Layer w0.127: v1(-22.5,-2.7) -22.5,-1.234 -22.166,-0.9 R3.2@-21.675,-0.9
SCK: U7.20
SCL: U1.42 U3.23 U6.1 | length 25.2
  Top Layer w0.127: v1(-5.315,18.4) -4.95,18.035 U1.42@-4.95,17.435
  Top Layer w0.254: U3.23@-17.625,15.75 -17.624,15.749 -16.704,15.749 v1@-16.703,15.748 ; U6.1@-17.45,24 v1(-17,24)
  Layer 2 w0.127: v1(-17,24) -17.015,23.984 -17.015,22.992 -16.484,22.461 -16.484,21.603 -18.3,19.788 -18.3,16.7 -17.35,15.75 v1(-16.7,15.75) -12.05,15.75 -11.3,16.5 -8.4,16.5 -6.5,18.4 v1(-5.315,18.4)
SDA: U1.41 U3.24 U6.11 | length 27.8
  Top Layer w0.127: v1(-4.9,18.9) -4.9,18.371 -4.516,17.987 -4.516,17.501 U1.41@-4.45,17.435
  Top Layer w0.254: U3.24@-17.625,16.25 -17.6,16.275 v1(-17.6,16.8) ; U6.11@-17.275,22.85 -17.179,22.85 -16.937,22.609 -16.937,22.138 v1(-16.9,22.1)
  Layer 2 w0.127: v1(-17.6,16.8) -8.6,16.8 -6.5,18.9 v1(-4.9,18.9) ; v1(-16.9,22.1) -17.415,22.615 -17.415,24.172 -17.172,24.416 -16.828,24.416 -15.5,23.088 -15.5,16.9
SDI: U7.22
SDO: U7.21
TX1: R13.1 U1.21 | length 23.7
  Top Layer w0.127: U1.21@0.235,11.25 0.302,11.317 0.717,11.317 1.1,11.7 v1(1.1,11.9)
  Bottom Layer w0.127: R13.1@-14.425,-1.9 -11.8,-1.9 -9.6,0.3 -8.5,0.3 -1.8,7 -1.8,8.1 1.1,11 v1(1.1,11.9)
TX1_R: R13.2 UART1.2 | length 4.2
  Top Layer w0.254: v1(-17.2,-2.7) UART1.2@-17.2,-1.537
  Bottom Layer w0.127: v1(-17.2,-2.7) -16.592,-3.308 -15.92,-3.308 -15.575,-2.963 R13.2@-15.575,-1.9
TX2: R2.1 U1.17 | length 14.6
  Top Layer w0.127: U1.17@0.235,9.25 0.434,9.25 0.5,9.183 v1(0.5,8.7)
  Bottom Layer w0.127: R2.1@-8.225,-0.7 -8.15,-0.7 -7.914,-0.463 -7.914,0.286 -2,6.2 -0.712,6.2 0.5,7.412 v1(0.5,8.7)
TX2_R: R2.2 UART2.2 | length 4.1
  Top Layer w0.254: v1(-10.9,-2.7) UART2.2@-10.9,-1.537
  Bottom Layer w0.127: v1(-10.9,-2.7) -10.9,-1.734 -9.866,-0.7 R2.2@-9.375,-0.7
TX3: R4.1 U1.6 | length 21.9
  Top Layer w0.127: v1(-5.8,7.5) -5.738,7.562 -5.738,7.848 -5.516,8.07 -5.516,8.498 U1.6@-5.45,8.565
  Bottom Layer w0.127: R4.1@-20.525,-1.9 -20.292,-1.667 -20.067,-1.667 -17.3,1.1 -8.6,1.1 -5.8,3.9 v1(-5.8,7.5)
TX3_R: R4.2 UART3.2 | length 4.5
  Top Layer w0.254: v1(-23.5,-2.7) UART3.2@-23.5,-1.537
  Bottom Layer w0.127: v1(-23.5,-2.7) -22.891,-3.309 -22.009,-3.309 -21.675,-2.975 R4.2@-21.675,-1.9
U0RX: J_ESP.4 U7.34 | length 13.2
  Bottom Layer w0.127: J_ESP.4@-3.9,21.138 -3.664,21.374 -3.664,21.936 -3.3,22.3 -0.7,22.3 -0.503,22.103 1.36,22.103 1.964,21.498 1.964,18.481 3.815,16.63 U7.34@4.365,16.63
U0TX: J_ESP.5 U7.35 | length 14.5
  Bottom Layer w0.127: J_ESP.5@-4.9,21.138 -4.815,21.222 -4.815,22.472 -4.572,22.715 -0.615,22.715 -0.257,22.357 1.911,22.357 2.795,21.472 2.795,18.279 3.174,17.9 U7.35@4.365,17.9
V_BRAKE_MOTOR: C11.2 C26.2 C29.2 R25.2 R26.2 U8.1 U9.1 U10.1 | length 39.1
  Layer 2 w0.7: v1(-21.8,1.8) -21.3,1.3 -15.5,1.3 ; v1(-15.5,1.8) -15.5,1.3 ; v1(-9.2,1.8) -9.7,1.3 ; v1(4.7,-0.8) v1(3.9,-0.8) 3.6,-1.1 -7.3,-1.1 -9.7,1.3 ; -15.5,1.3 -9.7,1.3
  Bottom Layer w0.254: v1(-21.8,1.8) C29.2@-21.8,2.76 ; v1(-15.5,1.8) C26.2@-15.5,2.76 ; v1(-9.2,1.8) C11.2@-9.2,2.76 C11.2@-9.18,2.76
  Bottom Layer w0.275: U10.1@-22.75,3.215 -22.75,2.985 -22.533,2.768 -21.808,2.768 C29.2@-21.8,2.76 ; U9.1@-16.45,3.215 -16.45,2.985 -16.232,2.767 -15.507,2.767 C26.2@-15.5,2.76 ; U8.1@-10.15,3.215 -10.15,2.985 -9.933,2.767 -9.207,2.767 C11.2@-9.2,2.76
  Bottom Layer w0.45: v1(3.9,-0.8) v1(4.7,-0.8) R25.2@5.4,-0.8 ; R25.2@5.4,-0.9 R25.2@5.4,-0.8 ; R25.2@5.45,-0.8 R25.2@5.4,-0.8 ; R26.2@5.45,0.9 5.4,0.85 R25.2@5.4,-0.8
VBAT: C4.2 C5.2 C16.1 C33.1 C34.1 C35.1 P1.2 R19.2 R25.1 U4.2 U4.3 | length 54.8
  Top Layer w1: C33.1@10.3,-4.35 C34.1@15.95,-4.35 ; v1(15.9,-4.4) C34.1@15.95,-4.35 ; C34.1@15.95,-4.4 C34.1@16,-4.35 ; C35.1@19.35,5 21.9,5 23.402,3.498 23.402,2.073 C16.1@24,1.475 23.4,0.875 23.4,-1.1 21.657,-2.843 21.657,-3.143 20.45,-4.35 C34.1@16,-4.35 ; C34.1@15.95,-4.35 C34.1@16,-4.35
  Layer 2 w0.5: v1(13.8,-4.4) v1(14.5,-4.4) v1(15.2,-4.4) v1(15.9,-4.4) v1(16.6,-4.4)
  Bottom Layer w0.6: R25.1@6.7,-0.7 6.75,-0.75 R25.1@6.75,-0.8 6.75,-3.814 7.636,-4.7 13.5,-4.7 v1(13.8,-4.4) v1(14.5,-4.4) v1(15.2,-4.4) v1(15.9,-4.4) ; U4.2@11,1 U4.3@11.95,1 13,1 ; C5.2@13,0.24 13,1 ; v1(16.6,-4.4) v1(15.9,-4.4) ; P1.2@21.6,-3.2 23.1,-1.7 R19.2@24.7,-1.7 ; 13,1 13.625,1 14.15,0.475 14.175,0.475 14.274,0.376 15.124,0.376 15.9,-0.4 v1(15.9,-4.4)
XBEE_3V3_EN: R16_XBEE.2 U1.38 U5_XBEE.3 | length 7.9
  Top Layer w0.127: U1.38@-2.95,17.435 -2.883,17.501 -2.883,17.987 -1.2,19.671 -1.2,21.76 0.24,23.2 R16_XBEE.2@0.24,23.275 0.476,23.511 0.476,23.525 0.91,23.525
XBEE_DIN: R6.2 U2.4 | length 2
  Top Layer w0.254: R6.2@6.075,21.3 7.74,21.3 U2.4@7.947,21.093
XBEE_DIN_R: R6.1 U1.45 | length 16.9
  Top Layer w0.127: v1(-6.5,19.5) -6.475,19.475 -6.475,17.46 U1.45@-6.45,17.435 ; R6.1@4.925,21.3 5,21.3 5.938,20.362 6.038,20.362 v1(6.1,20.3)
  Layer 2 w0.127: v1(-6.5,19.5) -5.3,20.7 0.8,20.7 1.2,20.3 v1(6.1,20.3)
XBEE_DOUT: R7.2 U2.3 | length 1.9
  Top Layer w0.254: R7.2@6.075,22.3 7.904,22.3 U2.3@7.947,22.343
XBEE_DOUT_R: R7.1 U1.57 | length 28.2
  Top Layer w0.127: v1(-11.1,13) -11.02,13 -10.766,12.746 -9.265,12.746 -9.261,12.75 U1.57@-8.635,12.75 ; R7.1@4.925,22.3 4.85,22.3 4.359,21.81 4.359,20.921 5.681,19.6 v1(6.1,19.6)
  Layer 2 w0.127: v1(-11.1,13) -11.1,14.4 -9.254,16.246 -8.154,16.246 -6.5,17.9 -4.812,17.9 -3.724,18.988 -3.724,19.376 -2.7,20.4 0.7,20.4 1.5,19.6 v1(6.1,19.6)
pads on no net: ICSP1.M J2.M J3.M J4.M J_ESP.M J_I2C1.M J_I2C3.M J_ISNS.M U1.10 U1.12 U1.22 U1.23 U1.27 U1.28 U1.30 U1.32 U1.33 U1.36 U1.37 U1.46 U1.47 U1.49 U1.53 U1.61 U2.5 U2.6 U2.8 U2.9 U2.11 U2.13 U2.14 U2.15 U2.16 U2.17 U2.18 U2.19 U2.20 U2.22 U2.23 U2.24 U2.25 U2.26 U2.27 U2.28 U2.29 U2.30 U2.31 U2.33 U3.2 U3.3 U3.4 U3.5 U3.6 U3.7 U3.12 U3.14 U3.15 U3.16 U3.17 U3.19 U3.21 U3.22 U6.7 U6.8 U7.4 U7.5 U7.6 U7.7 U7.8 U7.9 U7.10 U7.11 U7.12 U7.13 U7.14 U7.16 U7.17 U7.18 U7.23 U7.24 U7.26 U7.29 U7.30 U7.31 U7.32 U7.33 U7.36 U7.37 UART1.M UART2.M UART3.M Y1.1

## Polygon pours and split planes (outlines as drawn)
5V on Layer 2 "5V_L03_P007" (solid, pour order 7): -27,-6.3 -27,30 26.8,30 26.8,-6.3
3V3_MCU on Layer 2 "3V3_MCU_L03_P004" (solid, pour order 4): -10.904,14.338 -5.804,19.438 0.462,19.438 2.9,17 2.9,7.842 0.558,5.5 -6.366,5.5 -10.904,10.038
GND on Bottom Layer "GND_TOP" (solid, pour order 5): -27,30 26.8,30 26.8,-6.3 -27,-6.3
5V on Bottom Layer "PolygonDirect" (solid, pour order 0): 9.955,-4.263 8.649,-4.263 7.549,-3.163 7.549,1.137 8.049,1.637 10.449,1.637 10.449,0.537 9.849,-0.063 9.849,-1.663 10.249,-2.063 10.349,-2.163 10.349,-3.869
GND on Layer 1 "GND_L02_P006" (solid, pour order 6): -27,-6.3 -27,30 26.8,30 26.8,-6.3
GND on Top Layer "GND_TOP" (solid, pour order 8): -27,30 26.8,30 26.8,-6.3 -27,-6.3

## Silkscreen, mask and mechanical layers (free items; w line width, h text height)
Top Overlay:
  circle w0.4: c-10.9,7.6 r0.17
  circle w0.3: c-10.9,7.6 r1.6
  lines w0.3: -25.4,7.6 -22.1,7.6 ; -17.2,6.05 -17.2,9.35 ; -23.729,9.087 cw(c-26.3,7.6) -23.702,6.162 cw(c-21.05,7.65) -23.729,9.087 ; -18.638,7.652 cw(c-17.15,5) -15.713,7.679 cw(c-17.2,10.25) -18.638,7.652
  text "I2C3" at -7.4,27.35 h0.8
  text "+" at 17.854,11.2 h1.52
  text "-" at 15.554,10.992 h1.52
  text "I2C1" at 2.434,9.25 h0.8
  text "ISNS" at 7.9,7.65 h0.8
  text "CUBLI" at -4.023,0.312 h3.2
Bottom Overlay:
  region: 2918 vertices and 59 holes, not listed, extent -26.01,8.38 -11.805,23.065
  text "PIC32" at -8.17,27.37 h1
  text "ESP32" at -0.57,24.97 h1
  text "Vm" at 6.68,2.02 h0.7
  text "5V" at 4.38,0.62 h0.7
  text "12V" at 4.38,-1.08 h0.7
Board:
  the board outline again, w0.1